# Allegro board BRD_05101_01_rev_b01_aa.brd (continued)
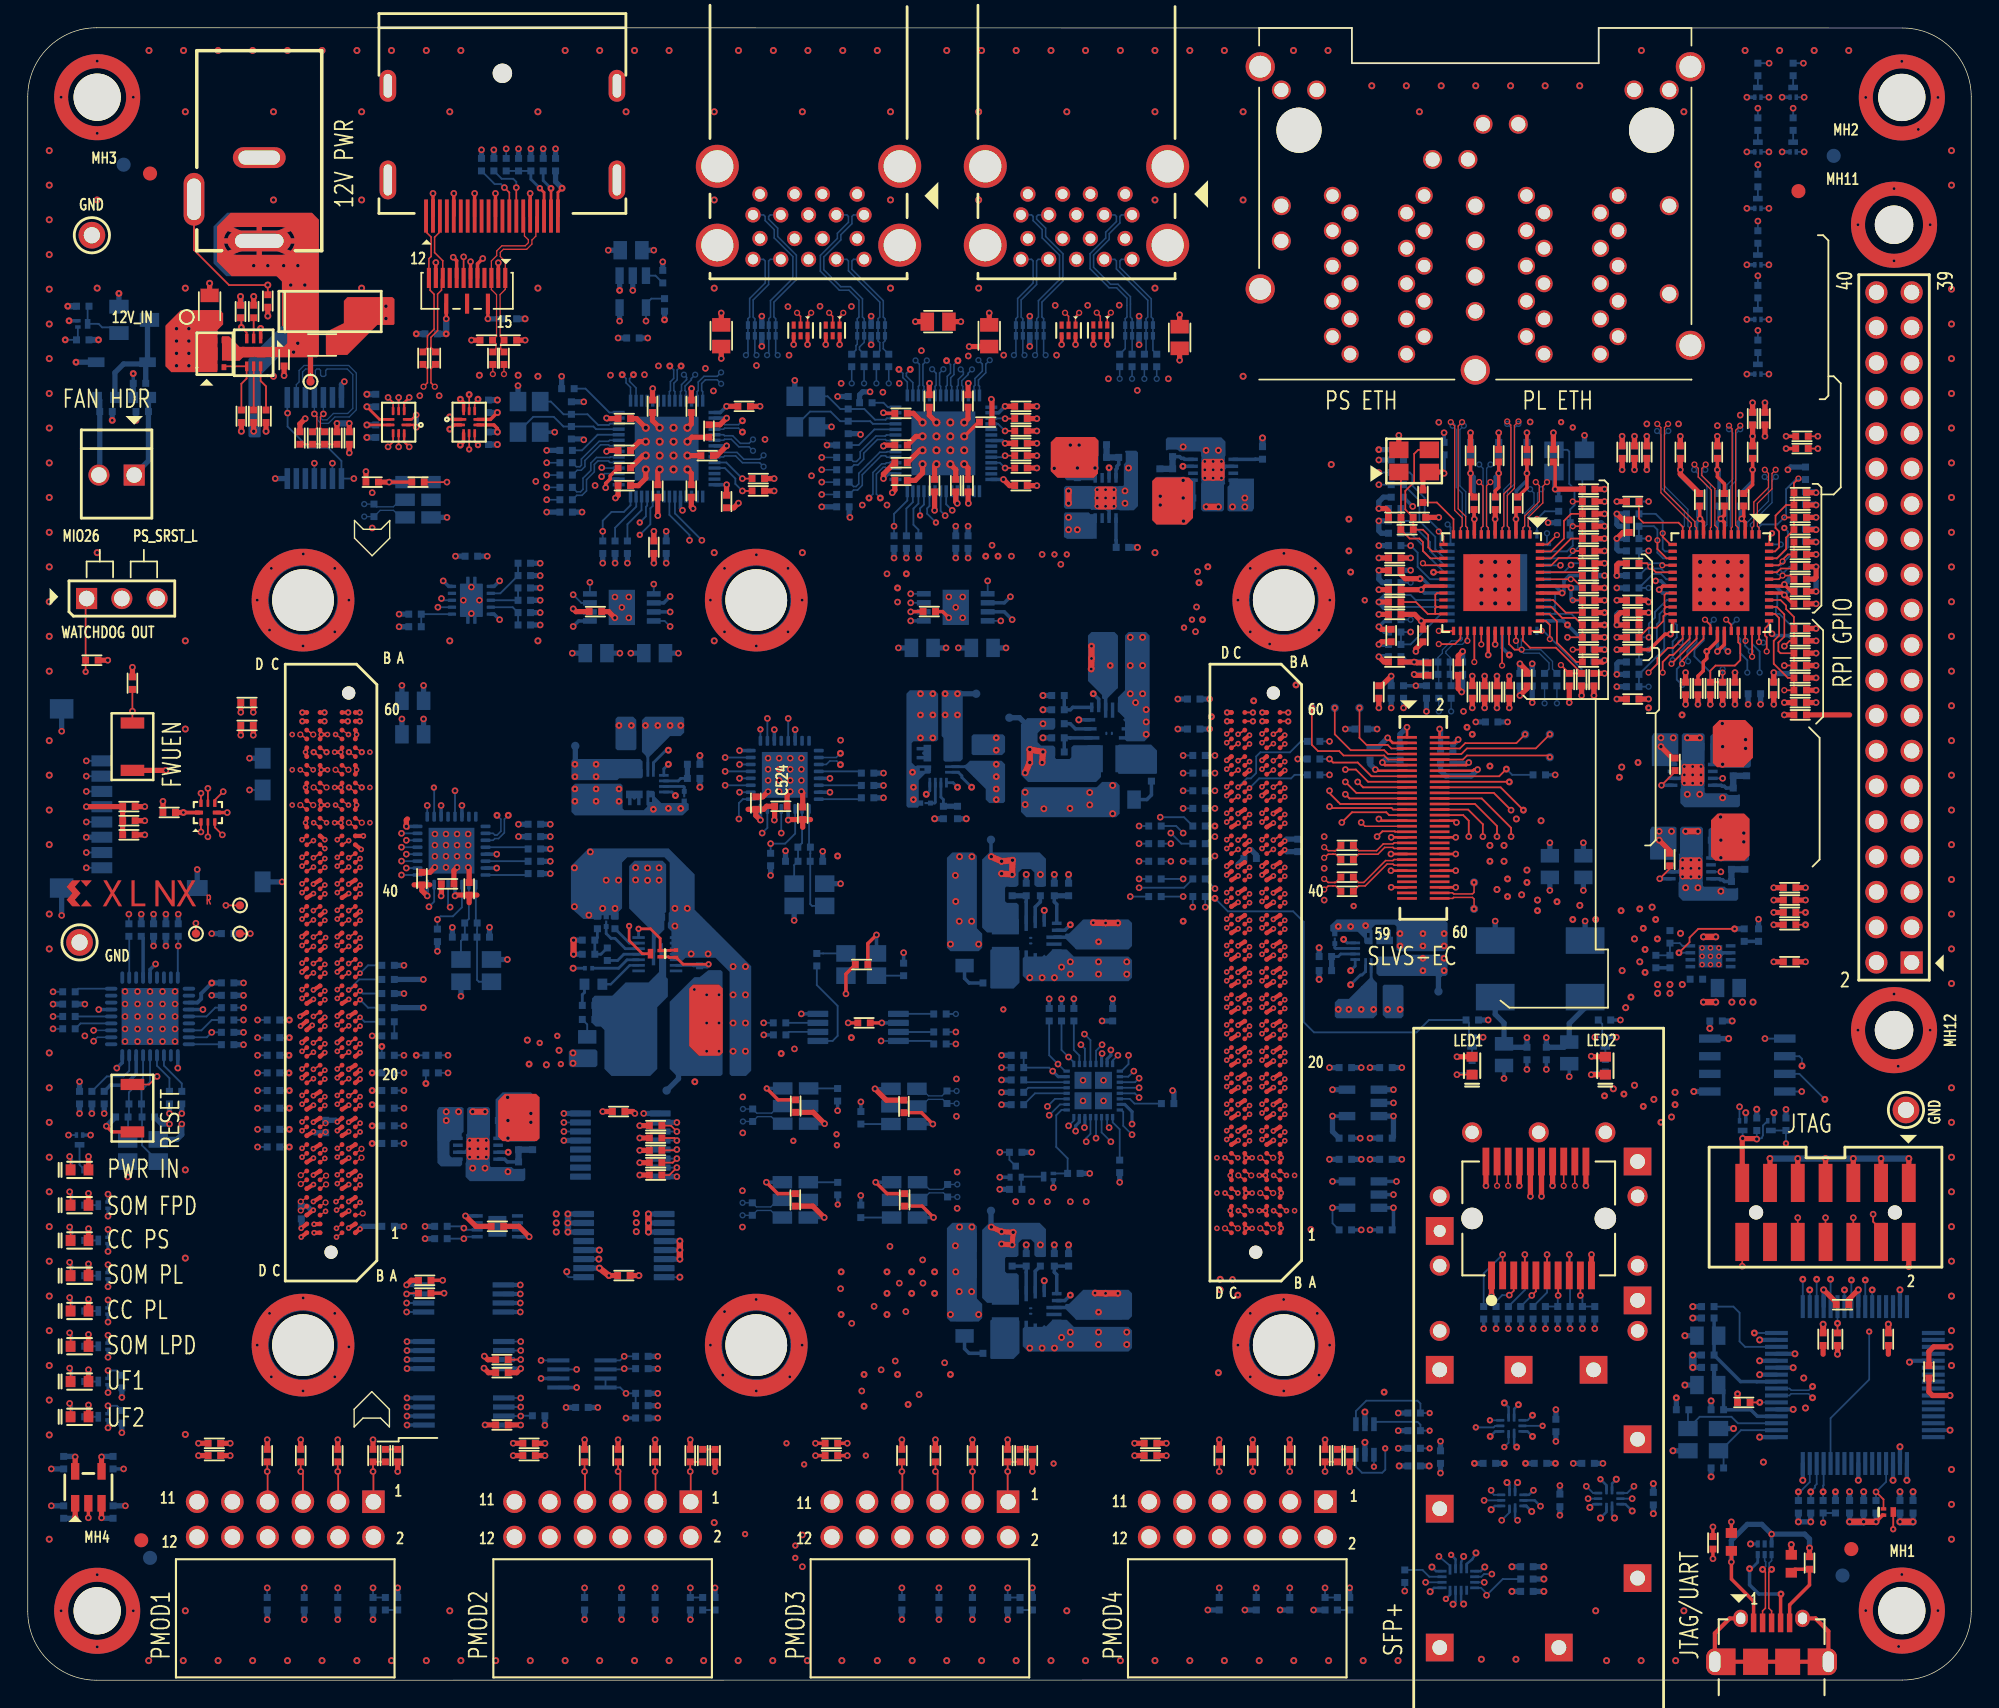
[diagram p0: board, top side]
## Routing (per net, layer and track width the routed paths; a pad name or vN(x,y) marks a point on that pad's centre or on a via; arc(x,y) is an arc through that point) (continued)
GTR_REFCLK3_C2M_N_NC: length 0.6
  TOP w0.094: JA1.A52 v6(24.06,64.29)
GTR_REFCLK3_C2M_P_NC: length 0.6
  TOP w0.094: JA1.A51 v6(23.13,64.29)
HDA00_CC: length 47.4
  TOP w0.132: JA1.D16 v1(19.76,41.48)
  L05_SIG w0.102: v5(31.42,32.56) 29.38,30.53 28.07,30.53 26.72,29.17 26.72,27.73 27.28,27.17 v5(27.29,27.17) 26.72,26.59 26.72,26.18 27.19,25.7 31.94,25.7 32.18,25.46 32.18,20.24 32.74,19.68 v5(35.51,19.68)
  L10_SIG w0.102: v5(31.42,32.56) 32.15,33.29 32.15,33.99 29.67,36.46 25.48,36.46 23.19,38.75 21.54,38.75 21.13,39.16 21.13,40.31 20.84,40.6 20.2,40.6 19.76,41.04 v1(19.76,41.48)
  BOTTOM w0.132: U85.6 v5(35.51,19.68) ; U75.6 31.54,32.44 v5(31.42,32.56) 31.29,32.69 R347.2 ; U76.6 v5(27.29,27.17)
HDA01: length 45.7
  TOP w0.132: JA1.D17 v1(19.76,42.11)
  L05_SIG w0.102: v5(35.51,20.33) 34.25,20.33 33.57,21 33.57,25.83 33.15,26.25 27.56,26.25 v5(27.29,26.52) 28.24,27.46 28.24,28.49 31.42,31.67 v5(31.42,31.8)
  L10_SIG w0.102: v1(19.76,42.11) 20.16,41.71 20.16,41.15 20.36,40.95 20.99,40.95 21.61,40.33 21.61,39.44 21.94,39.11 23.59,39.11 25.7,37 29.89,37 32.69,34.21 32.69,33.07 v5(31.42,31.8)
  BOTTOM w0.132: U75.5 31.55,31.94 v5(31.42,31.8) R348.2 ; U76.5 v5(27.29,26.52) ; U85.5 v5(35.51,20.33)
HDA02: length 5.8
  TOP w0.132: JA1.D18 v1(20.58,43.32)
  L12_SIG w0.102: v1(20.58,43.32) 19.86,42.59 19.6,42.59 19.3,42.29 19.3,40.89 18.84,40.43 v2(18.84,39.67)
  BOTTOM w0.132: R298.1 v2(18.84,39.67)
HDA03: length 4.3
  TOP w0.132: JA1.B16 v1(22.3,41.48)
  L12_SIG w0.102: v1(22.3,41.48) 23.09,40.69 24.05,40.69 v2(24.81,39.92)
  BOTTOM w0.132: R300.1 v2(24.81,39.92)
HDA04: length 3.8
  TOP w0.132: JA1.B17 v1(22.3,42.11)
  L12_SIG w0.102: v2(24.81,42.46) 22.65,42.46 v1(22.3,42.11)
  BOTTOM w0.132: R302.1 v2(24.81,42.46)
HDA05: length 8.1
  TOP w0.132: JA1.B18 v1(23.12,43.32)
  L12_SIG w0.102: v1(23.12,43.32) 23.52,42.92 24.25,42.92 24.66,43.33 25.81,43.33 26.64,44.17 27.49,44.17 v2(28.68,42.97)
  BOTTOM w0.132: R304.1 v2(28.68,42.97)
HDA06: length 7.3
  TOP w0.132: JA1.C18 v1(21.4,43.29)
  L12_SIG w0.102: v1(21.4,43.29) 20.83,42.72 20.49,42.72 20.21,42.43 20.21,41.29 19.35,40.43 19.35,38.91 v2(18.84,38.4)
  BOTTOM w0.132: R299.1 v2(18.84,38.4)
HDA07: length 4.2
  TOP w0.132: JA1.C19 v1(21.4,43.93)
  L12_SIG w0.102: v2(18.82,43.73) 19.58,44.5 20.83,44.5 v1(21.4,43.93)
  BOTTOM w0.132: R301.1 v2(18.82,43.73)
HDA08_CC: length 5.9
  TOP w0.132: JA1.C20 v1(20.58,43.99)
  L12_SIG w0.102: v2(18.84,41.19) 18.33,41.7 18.33,42.72 18.63,43.01 19.91,43.01 20.13,43.23 20.13,43.54 v1(20.58,43.99)
  BOTTOM w0.132: R303.1 v2(18.84,41.19)
HDA09: length 4.8
  TOP w0.132: JA1.A15 v1(23.94,41.39)
  L12_SIG w0.102: v2(24.81,38.65) 25.32,39.16 25.32,40.31 25.07,40.56 24.77,40.56 v1(23.94,41.39)
  BOTTOM w0.132: R305.1 v2(24.81,38.65)
HDA10: length 106
  TOP w0.132: J23.8 v5(111.05,30.65) ; JA1.A16 v1(23.94,42.02)
  L03_SIG w0.102: v1(23.94,42.02) 25.51,42.02 26.84,40.69 28.75,40.69 29.51,41.45 35.23,41.45 35.73,41.96 45.77,41.96 50.13,37.6 68.62,37.6 70.04,39.01 75.77,39.01 76.04,39.28 76.32,39.28 76.65,39.61 77.26,39.61 77.59,39.28 78.36,39.28 78.63,39.01 78.63,38.17 79.53,37.26 79.53,34.1 85.52,28.11 v2(85.9,28.11)
  L10_SIG w0.102: v5(111.05,30.65) 110.41,30.65 106.47,26.72 95.42,26.72 93.9,28.24 86.41,28.24 86.28,28.11 v2(85.9,28.11)
  BOTTOM w0.132: R338.1 111.1,30.59 v5(111.05,30.65)
HDA11: length 3.9
  TOP w0.132: JA1.A17 v1(23.12,42.09)
  L05_SIG w0.102: v1(23.12,42.09) 23.52,42.49 24.1,42.49 24.81,41.78 v2(24.81,41.45)
  BOTTOM w0.132: v2(24.81,41.45) 25.07,41.19 R276.1
HDA12: length 3.1
  TOP w0.132: JA1.D20 v1(19.76,44.02)
  L05_SIG w0.102: v2(18.84,42.46) 18.84,43.1 v1(19.76,44.02)
  BOTTOM w0.132: R278.1 v2(18.84,42.46)
HDA13: length 3.4
  TOP w0.132: JA1.D21 v1(20.58,45.22)
  L05_SIG w0.102: v2(18.82,45) 19.2,44.62 19.98,44.62 v1(20.58,45.22)
  BOTTOM w0.132: R280.1 v2(18.82,45)
HDA14: length 2.5
  TOP w0.132: JA1.D22 v1(19.76,45.29)
  L05_SIG w0.102: v2(18.84,46.27) 19.25,45.87 19.25,45.79 v1(19.76,45.29)
  BOTTOM w0.132: R282.1 v2(18.84,46.27)
HDA15: length 5.1
  TOP w0.132: JA1.B20 v1(22.3,44.02)
  L05_SIG w0.102: v1(22.3,44.02) 22.73,43.59 22.73,43 22.88,42.85 24.3,42.85 24.81,43.35 v2(24.81,43.73)
  BOTTOM w0.132: R277.1 v2(24.81,43.73)
HDA16_CC: length 7.7
  TOP w0.132: JA1.B21 v1(23.12,45.22)
  L05_SIG w0.102: v1(23.12,45.22) 23.54,44.8 24.23,44.8 24.81,45.39 24.81,45.77 25.32,46.27 26.72,46.27 v2(27.99,45)
  BOTTOM w0.132: R279.1 v2(27.99,45)
HDA17: length 5.6
  TOP w0.132: JA1.B22 v1(22.3,45.29)
  L05_SIG w0.102: v2(25.5,45.64) 25.5,44.94 24.94,44.37 23.22,44.37 v1(22.3,45.29)
  BOTTOM w0.132: R281.1 v2(25.5,45.64)
HDA18: length 4.6
  TOP w0.132: JA1.C22 v1(21.4,45.83)
  L05_SIG w0.102: v2(18.84,47.54) 18.84,47.16 19.6,46.4 20.83,46.4 v1(21.4,45.83)
  BOTTOM w0.132: R283.1 v2(18.84,47.54)
HDA19: length 110
  TOP w0.127: J23.2 v5(106.25,30.65)
  TOP w0.132: JA1.C23 v1(20.58,45.9)
  L03_SIG w0.102: v1(20.58,45.9) 21,45.47 21,42.97 21.26,42.72 24.3,42.72 24.56,42.97 25.57,42.97 26.51,42.03 31.11,42.03 31.8,42.72 36.37,42.72 36.52,42.57 46.01,42.57 47.41,41.17 53.95,41.17 55.16,42.39 60.27,42.39 61.01,41.65 67.66,41.65 68.35,40.97 71.28,40.97 72.49,42.17 78.66,42.17 81.24,39.59 81.24,33.28 85.64,28.88 v2(85.9,28.88)
  L10_SIG w0.102: v5(106.25,30.65) 106.25,29.79 103.81,27.35 96.19,27.35 94.15,29.38 86.41,29.38 v2(85.9,28.88)
  BOTTOM w0.132: R336.1 104.88,29.29 v5(106.25,30.65)
HDA20: length 64.7
  TOP w0.132: JA1.C24 v1(21.4,47.1)
  L05_SIG w0.102: v1(21.4,47.1) 21,47.5 21,47.93 20.74,48.18 17.33,48.18 16.63,48.88 15.22,48.88 14.78,49.32 14.78,60.8 11.73,63.85 11.73,64.94 10.33,66.34 6.9,66.34 2.17,71.08 2.17,95.99 v2(2.7,96.52)
  BOTTOM w0.132: v2(2.7,96.52) R261.1 3.61,96.62 Q20.1
HDB00_CC: length 10.4
  TOP w0.132: JA2.D44 v1(87.19,59.83)
  L10_SIG w0.102: v5(82.34,60.24) 81.83,59.74 81.83,58.42 82.99,57.27 84.45,57.27 86.19,59.01 86.75,59.01 87.19,59.45 v1(87.19,59.83)
  BOTTOM w0.132: R308.1 v5(82.34,60.24)
HDB01: length 5.9
  TOP w0.132: JA2.D45 v1(86.37,59.89)
  L10_SIG w0.102: v1(86.37,59.89) 86.31,59.84 85.32,59.84 84.03,58.54 82.77,58.54 v5(82.34,58.97)
  BOTTOM w0.132: R310.1 v5(82.34,58.97)
HDB02: length 5.7
  TOP w0.132: JA2.D46 v1(86.37,60.53)
  L10_SIG w0.102: v1(86.37,60.53) 86.16,60.32 85.31,60.32 84.63,61.01 v5(83.23,61.01)
  BOTTOM w0.132: v5(83.23,61.01) 82.72,61.51 R312.1
HDB03: length 2.1
  TOP w0.132: JA2.D48 v1(86.37,61.8)
  L10_SIG w0.102: v2(85.52,61.51) 85.8,61.8 v1(86.37,61.8)
  BOTTOM w0.132: v2(85.52,61.51) R314.1
HDB04: length 3.1
  TOP w0.132: JA2.D49 v1(86.37,62.43)
  L10_SIG w0.102: v5(85.52,64.05) 85.52,63.67 86.37,62.82 v1(86.37,62.43)
  BOTTOM w0.132: R309.1 v5(85.52,64.05)
HDB05: length 4.9
  TOP w0.132: JA2.D50 v1(87.19,63.64)
  L10_SIG w0.102: v5(85.52,66.59) 85.98,66.14 85.98,65.38 86.79,64.56 86.79,64.04 v1(87.19,63.64)
  BOTTOM w0.132: R311.1 v5(85.52,66.59)
HDB06: length 3.9
  TOP w0.132: JA2.C46 v1(87.19,60.5)
  L10_SIG w0.102: v1(87.19,60.5) 86.79,60.1 86.79,59.61 86.53,59.36 v5(85.52,59.36)
  BOTTOM w0.132: R313.1 85.14,58.97 v5(85.52,59.36)
HDB07: length 4.2
  TOP w0.132: JA2.C47 v1(88.01,61.71)
  L10_SIG w0.102: v1(88.01,61.71) 87.44,61.13 85.9,61.13 v5(85.52,60.75)
  BOTTOM w0.132: R315.1 85.33,60.75 v5(85.52,60.75)
HDB08_CC: length 3.9
  TOP w0.132: JA2.C48 v1(88.01,62.34)
  L05_SIG w0.102: v1(88.01,62.34) 87.5,62.85 85.59,62.85 v5(85.52,62.78)
  BOTTOM w0.132: R318.1 v5(85.52,62.78)
HDB09: length 4.7
  TOP w0.132: JA2.C50 v1(88.01,63.61)
  L05_SIG w0.102: v1(88.01,63.61) 87.63,64 87.63,64.59 87.45,64.77 86.08,64.77 v5(85.52,65.32)
  BOTTOM w0.132: R320.1 v5(85.52,65.32)
HDB10: length 5
  TOP w0.132: JA2.C51 v1(88.01,64.25)
  BOTTOM w0.132: v1(88.01,64.25) 88.71,64.94 91,64.94 91.26,65.2 R322.1
HDB11: length 7.6
  TOP w0.132: v1(87.19,64.31) JA2.C52
  BOTTOM w0.132: v1(87.19,64.31) 87.82,64.94 88.11,64.94 88.49,65.32 88.49,66.52 88.79,66.82 90.93,66.82 91.72,67.61 R324.1
HDB12: length 11.2
  TOP w0.132: JA2.B44 v1(89.73,59.83)
  L05_SIG w0.102: v5(84.82,55.67) 85.08,55.42 89.84,55.42 90.17,55.75 90.17,59.39 v1(89.73,59.83)
  BOTTOM w0.132: R319.1 v5(84.82,55.67)
HDB13: length 9.1
  TOP w0.132: JA2.B45 v1(88.91,59.89)
  L05_SIG w0.102: v1(88.91,59.89) 88.37,59.36 86.41,59.36 83.49,56.43 v5(83.23,56.43)
  BOTTOM w0.132: R321.1 v5(83.23,56.43)
HDB14: length 8.4
  TOP w0.132: JA2.B46 v1(88.91,60.53)
  L05_SIG w0.102: v1(88.91,60.53) 89.33,60.11 89.33,57.83 88.95,57.45 85.97,57.45 v5(85.52,57.01)
  BOTTOM w0.132: v5(85.52,57.01) R323.1
HDB15: length 11.7
  TOP w0.132: JA2.B48 v1(88.91,61.8)
  L05_SIG w0.102: v5(83.23,57.7) 83.74,57.7 84.76,58.72 84.76,61.51 85.26,62.02 85.59,62.02 86.36,61.26 88.37,61.26 v1(88.91,61.8)
  BOTTOM w0.132: R325.1 v5(83.23,57.7)
HDB16_CC: length 71.5
  TOP w0.127: J23.5 108.65,28.01 v5(108.34,27.71)
  TOP w0.132: JA2.B49 v1(88.91,62.43)
  L05_SIG w0.102: v2(106.6,57.7) 108.23,59.33 110.69,59.33 114.02,56 114.02,52.7 116.91,49.81 116.91,45.87 118.03,44.75 118.03,41.75 116.96,40.69 116.96,39.67 118.79,37.84 118.79,33.83 116.63,31.67 115.49,31.67 112.19,28.37 109,28.37 v5(108.34,27.71)
  L10_SIG w0.102: v1(88.91,62.43) 89.33,62.02 89.33,61.39 89.71,61.01 90.09,61.01 90.27,60.83 90.78,60.83 92.5,59.1 92.5,58.34 93.14,57.7 103.3,57.7 103.81,58.21 106.09,58.21 v2(106.6,57.7)
  BOTTOM w0.132: R335.1 v5(108.34,27.71)
HDB17: length 59.9
  TOP w0.127: J23.4 v5(107.85,30.65)
  TOP w0.132: JA2.B50 v1(89.73,63.64)
  L05_SIG w0.102: v5(107.85,30.65) 108,30.65 112.7,35.35 112.7,36.5 111.3,37.89 111.3,41.45 113.33,43.48 113.33,47.85 105.33,55.85 v2(105.33,58.97)
  L10_SIG w0.102: v2(105.33,58.97) 94.03,58.97 91.99,61.01 91.23,61.01 90.98,61.26 90.47,61.26 90.12,61.62 90.12,63.26 v1(89.73,63.64)
  BOTTOM w0.132: v5(107.85,30.65) 107.85,28.1 R334.1
HDB18: length 57.2
  TOP w0.127: J23.6 v5(109.45,30.65)
  TOP w0.132: JA2.A46 v1(89.73,60.5)
  L05_SIG w0.102: v5(109.45,30.65) 109.45,31.21 113.71,35.48 113.71,36.62 112.06,38.27 112.06,41.19 113.97,43.1 113.97,48.13 106.6,55.49 v2(106.6,56.43)
  L10_SIG w0.102: v2(106.6,56.43) 97.33,56.43 97.07,56.69 93.26,56.69 90.72,59.23 90.34,59.23 90.12,59.46 90.12,60.12 v1(89.73,60.5)
  BOTTOM w0.132: v5(109.45,30.65) 109.45,27.92 R339.1
HDB19: length 66.9
  TOP w0.127: v5(106.73,27.73) 107.05,28.05 J23.3
  TOP w0.132: JA2.A47 v1(90.55,61.71)
  L05_SIG w0.102: v2(108,57.45) 108,57.12 108.23,56.89 108.23,54.81 113.51,49.53 115.03,49.53 115.29,49.78 115.67,49.78 116,49.45 116,45.39 116.58,44.8 116.58,42.52 115.64,41.58 115.64,40.13 117.9,37.87 117.9,34.08 116.38,32.56 115.36,32.56 112.06,29.26 108.25,29.26 v5(106.73,27.73)
  L10_SIG w0.102: v1(90.55,61.71) 93.58,61.71 95.3,59.99 104.26,59.99 104.64,59.61 106.78,59.61 107.39,59 107.39,58.06 v2(108,57.45)
  BOTTOM w0.132: R337.1 105.77,27.28 106.22,27.73 v5(106.73,27.73)
HDB20: length 49.6
  TOP w0.132: JA2.A48 v1(90.55,62.34)
  L05_SIG w0.102: v2(119.17,69.52) 119.43,69.52 119.86,69.95 119.86,70.58 120.11,70.84 132,70.84 J21.18
  L10_SIG w0.102: v2(119.17,69.52) 118.41,69.52 117.01,68.12 117.01,64.44 115.87,63.29 96.44,63.29 95.49,62.34 v1(90.55,62.34)
HDB21: length 52.5
  TOP w0.132: JA2.A50 v1(90.55,63.61)
  L05_SIG w0.102: J21.22 131.82,77.08 129.16,74.42 127.12,74.42 126.03,73.33 119.17,73.33 117.9,72.06 117.9,71.17 v2(116.76,70.02)
  L10_SIG w0.102: v1(90.55,63.61) 93.83,63.61 94.28,63.17 95.3,63.17 96.06,63.93 115.74,63.93 116.51,64.69 116.51,69.77 v2(116.76,70.02)
HDB22: length 71.3
  TOP w0.132: JA2.A51 v1(90.55,64.25)
  L12_SIG w0.102: J21.37 134.49,96.19 132.63,96.19 130.6,94.15 130.6,83.23 129.76,82.39 126.21,82.39 125.52,81.71 119.93,81.71 118.41,80.18 116.63,80.18 114.68,78.23 113.41,78.23 113.08,77.9 113.08,72.31 113.33,72.06 113.33,69.39 111.55,67.61 105.72,67.61 104.67,66.56 103.67,66.56 102.27,65.16 98.79,65.16 97.89,64.26 94.46,64.26 94.15,64.56 93.14,64.56 92.82,64.25 v1(90.55,64.25)
HDB23: length 50
  TOP w0.132: v1(89.73,64.31) JA2.A52
  L05_SIG w0.102: v2(116,66.09) 117.78,66.09 118.66,66.98 121.33,66.98 121.71,66.59 131.48,66.59 132.33,65.75 134.54,65.75 J21.13
  L10_SIG w0.102: v1(89.73,64.31) 90.1,64.69 94.15,64.69 94.59,65.12 96.14,65.12 96.69,64.56 105.77,64.56 106.35,65.14 108.49,65.14 109.07,64.56 115.24,64.56 116,65.32 v2(116,66.09)
HDC00_CC: length 72
  TOP w0.127: R330.1 v5(128.95,89.58)
  TOP w0.132: JA2.D52 v1(86.37,64.34)
  L10_SIG w0.102: J21.27 134.39,86.03 132.67,86.03 129.11,89.58 v5(128.95,89.58)
  L12_SIG w0.102: v1(86.37,64.34) 86.79,64.76 86.79,66.47 86.94,66.62 90.7,66.62 90.98,66.34 90.98,66.09 91.23,65.83 91.61,65.83 92.55,66.77 95.88,66.77 96.06,66.59 102.52,66.59 103.41,67.48 104.27,67.48 106.26,69.47 111.38,69.47 111.5,69.59 111.5,72.56 111.81,72.87 111.81,79.52 113.14,80.86 114.64,80.86 115.57,81.78 117.73,81.78 118.92,82.98 123.49,82.98 124,83.49 125.29,83.49 128.32,86.51 128.32,88.94 v5(128.95,89.58)
HDC01: length 66.9
  TOP w0.132: R331.1 v5(128.95,88.69) ; JA2.D53 v1(87.19,65.54)
  L10_SIG w0.102: v5(128.95,88.69) 129.18,88.69 J21.28
  L12_SIG w0.102: v1(87.19,65.54) 87.67,65.07 92.5,65.07 93.14,65.71 93.77,65.71 94.28,66.21 95.68,66.21 96.82,65.07 97.46,65.07 98.11,65.73 102.25,65.73 103.5,66.98 104.55,66.98 106.12,68.55 111.35,68.55 112.37,69.57 112.37,79.29 113.08,80.01 115.19,80.01 116,80.82 117.9,80.82 119.43,82.34 123.74,82.34 124.38,82.98 125.52,82.98 128.95,86.41 v5(128.95,88.69)
HDC02: length 58.9
  TOP w0.132: JA2.D54 v1(86.37,65.61) ; R326.1 v2(128.06,54.4)
  L05_SIG w0.102: J21.3 134.49,53.01 131.87,53.01 130.48,54.4 v2(128.06,54.4) 126.79,53.13 124.63,53.13 122.73,55.04 118.28,55.04 110.16,63.17 101.9,63.17 98.47,66.59 97.71,66.59 97.46,66.85 93.39,66.85 91.36,64.82 88.18,64.82 87.84,65.16 86.82,65.16 v1(86.37,65.61)
HDC03: length 57.7
  TOP w0.132: JA2.D56 v1(87.19,67.45) ; R327.1 v2(128.06,55.29)
  L05_SIG w0.102: v1(87.19,67.45) 87.59,67.05 90.8,67.05 91.99,68.25 94.03,68.25 94.41,67.86 97.2,67.86 97.84,67.23 98.74,67.23 102.29,63.67 110.55,63.67 118.55,55.67 122.99,55.67 124.9,53.77 126.54,53.77 v2(128.06,55.29) 128.32,55.55 134.49,55.55 J21.5
HDC04: length 54.9
  TOP w0.132: v1(86.37,67.51) JA2.D57
  L05_SIG w0.102: v1(86.37,67.51) 86.79,67.93 86.79,68.37 87.01,68.59 91.58,68.59 91.99,69.01 97.84,69.01 99.87,66.98 105.95,66.98 107.09,65.83 111.43,65.83 115.36,61.9 120.7,61.9 121.08,61.51 122.6,61.51 122.86,61.77 124.25,61.77 125.44,60.58 134.44,60.58 J21.7
HDC05: length 63.1
  TOP w0.132: JA2.D58 v1(86.37,68.15)
  L05_SIG w0.102: v1(86.37,68.15) 86.21,67.99 85.01,67.99 84.5,68.5 84.5,70.79 87.42,73.71 92.88,73.71 96.39,77.21 104.11,77.21 104.31,77.01 108.12,77.01 110.23,79.12 115.44,79.12 116.3,79.98 119.1,79.98 120.32,81.2 126.16,81.2 128.27,83.31 129.41,83.31 131.96,85.86 134.33,85.86 J21.29
HDC06: length 72
  TOP w0.132: JA2.C54 v1(88.01,66.15)
  L05_SIG w0.102: v2(84.63,76.37) 84.63,77.26 88.95,81.58 91.99,81.58 94.53,79.04 96.69,79.04 97.08,79.42 98.35,79.42 99.28,80.36 100.05,80.36 100.83,81.15 111.6,81.15 111.86,80.89 119,80.89 120.19,82.09 124.38,82.09 128.57,86.28 129.33,86.28 131.71,88.66 134.59,88.66 J21.31
  L10_SIG w0.102: v2(84.63,76.37) 84.63,74.98 85.9,73.71 85.9,67.45 86.37,66.98 87.19,66.98 v1(88.01,66.15)
HDC07: length 59.4
  TOP w0.132: JA2.C55 v1(87.19,66.22)
  L05_SIG w0.102: J21.26 131.95,82.16 129.33,79.55 124.63,79.55 124.13,79.04 119.05,79.04 118.11,78.1 116.33,78.1 115.57,77.34 110.23,77.34 109.01,76.12 103.93,76.12 103.3,76.75 98.98,76.75 97.33,75.1 95.04,75.1 93.14,73.2 88.57,73.2 85.26,69.9 v2(85.26,69.39)
  L10_SIG w0.102: v1(87.19,66.22) 86.79,66.62 86.2,66.62 84.63,68.19 84.63,68.75 v2(85.26,69.39)
HDC08_CC: length 54.7
  TOP w0.132: JA2.C56 v1(88.01,67.42)
  L05_SIG w0.102: v2(91.36,71.67) 91.87,72.18 94.03,72.18 95.04,73.2 98.22,73.2 100.12,75.1 108.38,75.1 109.9,73.58 112.06,73.58 113.13,74.65 114.8,74.65 114.98,74.47 119.17,74.47 120.44,75.74 121.97,75.74 123.24,77.01 129.46,77.01 132.08,79.62 J21.24
  L10_SIG w0.102: v2(91.36,71.67) 91.49,71.55 91.49,69.13 90.85,68.5 90.39,68.5 90.14,68.25 90.14,67.28 89.84,66.98 88.44,66.98 88.01,67.4 v1(88.01,67.42)
HDC09: length 55.8
  TOP w0.132: JA2.C58 v1(87.19,68.12)
  L05_SIG w0.102: J21.21 134.37,75.74 132.63,75.74 129.51,72.61 127.48,72.61 126.67,71.8 119.55,71.8 117.14,69.39 115.11,69.39 113.08,71.42 103.81,71.42 103.55,71.67 101.39,71.67 100.88,71.17 91.99,71.17 90.98,70.15 89.2,70.15 88.82,70.53 v2(88.31,70.53)
  L10_SIG w0.102: v2(88.31,70.53) 87.19,69.41 v1(87.19,68.12)
HDC10: length 64.4
  TOP w0.132: v6(88.26,69.05) 88.26,69.06 JA2.C59
  L05_SIG w0.102: v6(88.26,69.05) 87.3,70.02 87.3,71.29 88.69,72.69 93.65,72.69 95.12,74.16 97.53,74.16 98.47,75.1 98.47,75.36 99.23,76.11 99.75,76.11 100.25,75.61 109.77,75.61 110.61,76.45 118.61,76.45 120.19,78.02 124.13,78.02 124.51,77.64 127.17,77.64 128.44,78.91 130.09,78.91 132.13,80.95 136.19,80.95 137.21,79.93 137.21,76.04 J21.19
HDC11: length 54.6
  TOP w0.132: v6(88.26,69.69) 88.26,69.69 JA2.C60
  L05_SIG w0.102: v6(88.26,69.69) 87.8,70.14 87.8,71.04 88.82,72.06 90.22,72.06 91.11,71.17 91.49,71.17 91.99,71.67 98.47,71.67 99.69,72.89 106.9,72.89 107.23,72.56 109.52,72.56 109.9,72.94 115.74,72.94 116.57,73.77 119.62,73.77 120.57,74.72 121.97,74.72 123.62,76.37 129.71,76.37 131.75,78.41 134.49,78.41 J21.23
HDC12: length 64.4
  TOP w0.132: v1(88.91,64.34) JA2.B52
  L12_SIG w0.102: v1(88.91,64.34) 89.33,63.92 89.33,63.42 89.58,63.17 92.63,63.17 93.01,63.55 94.15,63.55 94.53,63.17 97.84,63.17 99.36,64.69 104.2,64.69 104.92,65.41 104.92,66.02 105.88,66.98 111.55,66.98 114.02,69.44 114.02,76.68 117.01,79.68 118.92,79.68 120.32,81.07 126.41,81.07 127.05,81.71 128.32,81.71 128.52,81.5 129.64,81.5 131.49,83.36 131.49,88.11 J21.32
HDC13: length 63.8
  TOP w0.132: JA2.B53 v1(89.73,65.54)
  L05_SIG w0.102: J21.33 134.24,90.85 132.63,90.85 128.95,87.17 128.57,87.17 124.38,82.98 119.05,82.98 118.79,82.72 116.37,82.72 115.44,81.78 104.24,81.78 103.55,82.47 101.52,82.47 100.3,81.25 99.03,81.25 98.17,80.39 96.52,80.39 95.93,79.8 v2(95.3,79.8)
  L10_SIG w0.102: v2(95.3,79.8) 95.3,74.85 93.65,73.2 93.65,69.13 91.11,66.59 90.27,66.59 90.17,66.49 90.17,65.98 v1(89.73,65.54)
HDC14: length 48.9
  TOP w0.132: JA2.B54 v1(88.91,65.61)
  L05_SIG w0.102: v2(105.33,65.83) 106.01,65.15 107.95,65.15 108.79,64.31 112.06,64.31 116.51,59.86 122.35,59.86 122.91,59.3 J21.8
  L10_SIG w0.102: v2(105.33,65.83) 104.57,65.07 96.95,65.07 95.8,66.21 94.66,66.21 94.28,65.83 93.65,65.83 93.2,65.39 91.04,65.39 90.72,65.07 89.45,65.07 v1(88.91,65.61)
HDC15: length 47.4
  TOP w0.132: JA2.B56 v1(89.73,67.45)
  L05_SIG w0.102: J21.10 125.32,61.84 124.38,62.78 115.49,62.78 111.3,66.98 106.95,66.98 106.19,67.74 104.44,67.74 v2(104.06,68.12)
  L12_SIG w0.102: v2(104.06,68.12) 104.01,68.17 102.81,68.17 101.64,67 96.92,67 96.74,67.18 91.18,67.18 91.06,67.05 90.13,67.05 v1(89.73,67.45)
HDC16_CC: length 71.4
  TOP w0.132: JA2.B57 v1(88.91,67.51)
  L05_SIG w0.102: v2(84.37,79.04) 84.76,79.04 88.25,82.53 95.11,82.53 96.52,83.94 100.45,83.94 100.76,84.25 112.44,84.25 112.62,84.43 117.83,84.43 118.66,85.26 124,85.26 126.54,87.8 126.92,87.8 127.43,88.31 127.43,90.34 131.95,94.86 J21.36
  L10_SIG w0.102: v1(88.91,67.51) 88.44,67.98 88.44,68.37 88.69,68.63 89.2,68.63 89.33,68.75 89.33,70.15 88.57,70.91 88.57,72.56 85.52,75.61 85.52,77.9 v2(84.37,79.04)
HDC17: length 50.8
  TOP w0.132: JA2.B58 v1(88.91,68.15)
  L05_SIG w0.102: J21.11 134.71,65.39 122.79,65.39 122.73,65.45 121.84,65.45 120.95,66.34 118.79,66.34 117.95,65.5 115.71,65.5 113.6,67.61 107.2,67.61 106.23,68.58 103.73,68.58 v2(103.68,68.63)
  L12_SIG w0.102: v2(103.68,68.63) 102.64,68.63 101.45,67.43 97.25,67.43 96.95,67.74 94.66,67.74 94.28,68.12 92.63,68.12 92.25,68.5 89.26,68.5 v1(88.91,68.15)
HDC18: length 45.5
  TOP w0.094: JA2.A54 v1(90.55,66.15)
  L05_SIG w0.102: J21.12 121.92,64.38 120.82,63.29 116.39,63.29 v2(114.66,65.02)
  L10_SIG w0.102: v2(114.66,65.02) 113.85,65.83 107.96,65.83 106.94,66.85 93.26,66.85 92.25,65.83 91.23,65.83 90.91,66.15 v1(90.55,66.15)
HDC19: length 66.2
  TOP w0.094: JA2.A55 v1(89.73,66.22)
  L05_SIG w0.102: v2(95.17,81.33) 96.82,82.98 103.93,82.98 104.26,82.65 114.4,82.65 115.11,83.36 118.41,83.36 119.3,84.25 124.76,84.25 127.94,87.42 127.94,89.96 131.49,93.52 134.37,93.52 J21.35
  L10_SIG w0.102: v1(89.73,66.22) 89.73,66.49 90.22,66.98 90.85,66.98 93.01,69.13 93.01,73.45 94.79,75.23 94.79,80.95 v2(95.17,81.33)
HDC20: length 63.1
  TOP w0.132: JA2.A56 v1(90.55,67.42)
  L05_SIG w0.102: v2(95.17,83.61) 96.57,85.01 111.17,85.01 112.44,86.28 122.35,86.28 124,87.93 125.17,87.93 125.9,88.67 125.9,90.14 J21.38
  L10_SIG w0.102: v2(95.17,83.61) 95.17,82.22 94.28,81.33 94.28,75.74 91.99,73.45 91.99,68.88 90.55,67.44 v1(90.55,67.42)
HDC21: length 72.5
  TOP w0.132: JA2.A58 v1(89.73,68.12)
  L05_SIG w0.102: J21.40 130.35,97.12 130.35,95.93 124.63,90.22 123.49,90.22 121.46,88.18 111.43,88.18 108.76,85.52 93.65,85.52 91.55,83.42 88.25,83.42 v2(85.01,80.18)
  L10_SIG w0.102: v2(85.01,80.18) 86.41,78.79 86.41,76.12 90.72,71.8 90.72,70.4 89.73,69.41 v1(89.73,68.12)
HDC22: length 47
  TOP w0.132: v6(90.8,69.05) 90.8,69.06 JA2.A59
  L05_SIG w0.102: v6(90.8,69.05) 91.53,69.05 92.07,69.59 99.67,69.59 100.12,69.13 103.42,69.13 103.81,69.52 106.85,69.52 107.36,69.01 109.77,69.01 110.41,68.37 134.62,68.37 J21.15
HDC23: length 44.6
  TOP w0.132: v6(90.8,69.69) 90.8,69.69 JA2.A60
  L05_SIG w0.102: v6(90.8,69.69) 91.15,69.69 92.12,70.66 106.85,70.66 107.67,69.85 109.9,69.85 110.84,68.9 121.1,68.9 121.59,69.39 125.52,69.39 125.9,69.01 132.71,69.01 J21.16
HPA00_CC_P_NC: length 0.5
  TOP w0.094: JA1.C3 v1(21.45,33.77)
HPA00_CCN: length 181.6
  TOP w0.094: JA1.C4 v3(21.45,34.4)
  L03_SIG w0.102: v2(65.32,27.86) 62.53,25.07 58.85,25.07 55.42,28.49 50.59,28.49 48.69,26.59 39.42,26.59 36.24,29.76 27.35,29.76 24.05,33.07 23.64,33.07 23.41,33.3 22.09,33.3 21.85,33.54 21.85,34 v3(21.45,34.4)
  L12_SIG w0.102: v2(65.32,27.86) 66.26,26.92 66.68,26.92 66.86,27.1 66.86,27.35 67.04,27.53 67.29,27.53 67.47,27.35 67.47,27.1 67.65,26.92 68.2,26.92 68.5,27.22 68.5,28.05 68.63,28.18 69.07,28.18 69.21,28.04 69.21,26.16 69.42,25.95 69.75,25.95 69.95,26.16 69.95,27.98 70.15,28.18 70.48,28.18 70.69,27.98 70.69,26.16 70.89,25.95 71.22,25.95 71.42,26.16 71.42,27.98 71.63,28.18 71.96,28.18 72.16,27.98 72.16,26.41 72.34,26.23 72.72,26.23 72.9,26.41 72.9,26.89 73.1,27.1 73.61,27.1 73.79,27.28 73.79,27.53 73.96,27.71 74.22,27.71 74.4,27.53 74.4,27.28 74.57,27.1 75.6,27.1 75.78,27.28 75.78,27.99 75.96,28.16 76.21,28.16 76.39,27.99 76.39,27.28 76.57,27.1 77.77,27.1 78.41,26.46 86.53,26.46 88.44,28.37 96.06,28.37 97.94,30.25 97.94,30.51 97.52,30.93 97.52,31.18 97.7,31.36 97.95,31.36 98.38,30.94 98.63,30.94 99.23,31.54 99.23,33.19 100.38,34.34 100.38,35.35 101.27,36.24 102.51,36.24 102.69,36.06 102.69,35.58 102.86,35.4 103.12,35.4 103.3,35.58 103.3,36.06 103.47,36.24 104.06,36.24 104.19,36.37 105.25,36.37 105.51,36.11 105.76,36.11 105.94,36.29 105.94,36.54 105.28,37.21 105.28,37.46 108.38,40.56 109.52,40.56 110.05,41.09 110.31,41.09 110.61,40.79 110.87,40.79 111.04,40.97 111.04,41.22 110.74,41.52 110.74,41.78 110.92,41.96 111.17,41.96 111.48,41.65 111.73,41.65 111.91,41.83 111.91,42.08 111.6,42.39 111.6,42.64 112.03,43.07 112.03,46.5 112.97,47.43 113.22,47.43 113.73,46.92 113.98,46.92 114.16,47.1 114.16,47.36 113.65,47.86 113.65,48.12 114.77,49.24 114.77,49.26 115.43,49.92 115.46,49.92 115.62,50.08 115.62,52.47 116.84,53.69 116.84,54.83 116.56,55.11 116.56,56.24 116.74,56.42 117.63,56.42 117.81,56.6 117.81,56.85 117.63,57.03 116.74,57.03 116.56,57.2 116.56,58.15 116.66,58.25 117.24,58.25 117.45,58.46 117.45,58.79 117.24,58.99 115.82,58.99 115.62,59.19 115.62,59.52 115.82,59.73 116.81,59.73 117.01,59.93 117.01,60.26 116.81,60.46 115.82,60.46 115.62,60.67 115.62,61.03 115.82,61.23 116.81,61.23 117.01,61.44 117.01,61.77 116.81,61.97 115.82,61.97 115.62,62.17 115.62,62.5 115.82,62.71 118.15,62.71 118.35,62.91 118.35,63.24 118.15,63.44 116.1,63.44 116,63.54 116,64.27 116.1,64.37 116.95,64.37 117.14,64.56 117.14,65.71 119.05,67.61 119.05,68.37 118.49,68.93 v4(118.49,73.45)
  BOTTOM w0.132: v4(118.49,73.45) 118.49,74.8 118.79,75.1 118.79,75.99 U79.37
HPA01N: length 180.2
  TOP w0.094: JA1.D8 v3(19.67,36.37)
  L03_SIG w0.102: v3(19.67,36.37) 19.35,36.37 17.57,34.59 17.57,31.22 20.39,28.39 21.61,28.39 25.07,24.94 35.77,24.94 40.48,22.75 42.11,21.13 46.73,21.13 49.32,18.54 63.03,18.54 64,19.51 64,20.09 63.17,20.93 v2(60.24,22.02)
  L12_SIG w0.102: v4(124.13,74.09) 124.63,73.58 125.4,73.58 127.68,71.29 127.68,58.72 126.92,57.96 126.92,48.2 126.24,45.96 125.14,41.87 125.14,38.84 124.01,36.51 116.51,29 114.47,29 112.57,27.1 111.08,27.1 109.77,25.79 109.77,25.18 109.28,24.68 106.09,24.68 102.15,20.75 101.53,20.75 99.37,18.59 97.2,18.59 96.31,17.7 96.06,17.7 94.53,16.18 84.77,16.18 83.09,17.85 64.41,17.85 v2(60.24,22.02)
  BOTTOM w0.132: U79.27 123.72,74.5 v4(124.13,74.09)
HPA01P: length 181.9
  TOP w0.094: JA1.D7 v3(19.67,35.74)
  L03_SIG w0.102: v2(63.42,19.86) 62.78,19.22 50.34,19.22 47.57,21.99 41.98,21.99 41.65,22.32 41.65,22.57 42.59,23.52 42.59,23.77 42.42,23.95 42.16,23.95 41.22,23 40.97,23 40.79,23.18 40.79,23.44 41.73,24.38 41.73,24.63 41.55,24.81 41.3,24.81 40.36,23.87 40.11,23.87 39.19,24.79 38.17,24.79 37.51,25.45 25.45,25.45 21.94,28.95 20.62,28.95 18.09,31.49 18.09,34.16 v3(19.67,35.74)
  L12_SIG w0.102: v4(123.87,72.56) 124.3,73 124.96,73 125.35,72.61 125.35,72.23 125.9,71.67 125.9,71.29 126.34,70.86 126.72,70.86 126.98,70.6 126.98,58.91 126.28,58.21 126.28,48.31 124.13,46.15 124.13,43.23 122.6,41.7 122.6,36.62 116.76,30.78 114.6,30.78 112.19,28.37 110.28,28.37 108.25,26.34 105.08,26.34 104.06,25.32 104.06,24.56 102.92,23.41 101.14,23.41 96.19,18.46 95.8,18.46 94.15,16.81 85.26,16.81 83.18,18.89 81.02,18.89 80.85,18.71 80.85,18.49 80.67,18.31 80.41,18.31 80.24,18.49 80.24,18.71 80.06,18.89 79.81,18.89 79.63,18.71 79.63,18.49 79.45,18.31 79.2,18.31 79.02,18.49 79.02,18.71 78.84,18.89 78.59,18.89 78.41,18.71 78.41,18.49 78.23,18.31 77.98,18.31 77.8,18.49 77.8,18.71 77.62,18.89 77.37,18.89 77.19,18.71 77.19,18.49 77.01,18.31 76.76,18.31 76.58,18.49 76.58,18.71 76.4,18.89 76.15,18.89 75.97,18.71 75.97,18.49 75.79,18.31 75.54,18.31 75.36,18.49 75.36,18.71 75.18,18.89 74.93,18.89 74.75,18.71 74.75,18.49 74.57,18.31 74.32,18.31 74.14,18.49 74.14,18.71 73.96,18.89 73.71,18.89 73.53,18.71 73.53,18.49 73.35,18.31 73.1,18.31 72.92,18.49 72.92,18.71 72.74,18.89 72.49,18.89 72.31,18.71 72.31,18.49 72.13,18.31 71.88,18.31 71.7,18.49 71.7,18.71 71.52,18.89 67.61,18.89 67.34,18.62 66.92,18.62 66.65,18.89 66.39,18.89 66.22,18.71 66.22,18.49 66.04,18.31 65.78,18.31 65.61,18.49 65.61,18.71 65.43,18.89 64.39,18.89 v2(63.42,19.86)